# Altium PCB Board.PcbDoc (part 1 of 4) (continued)
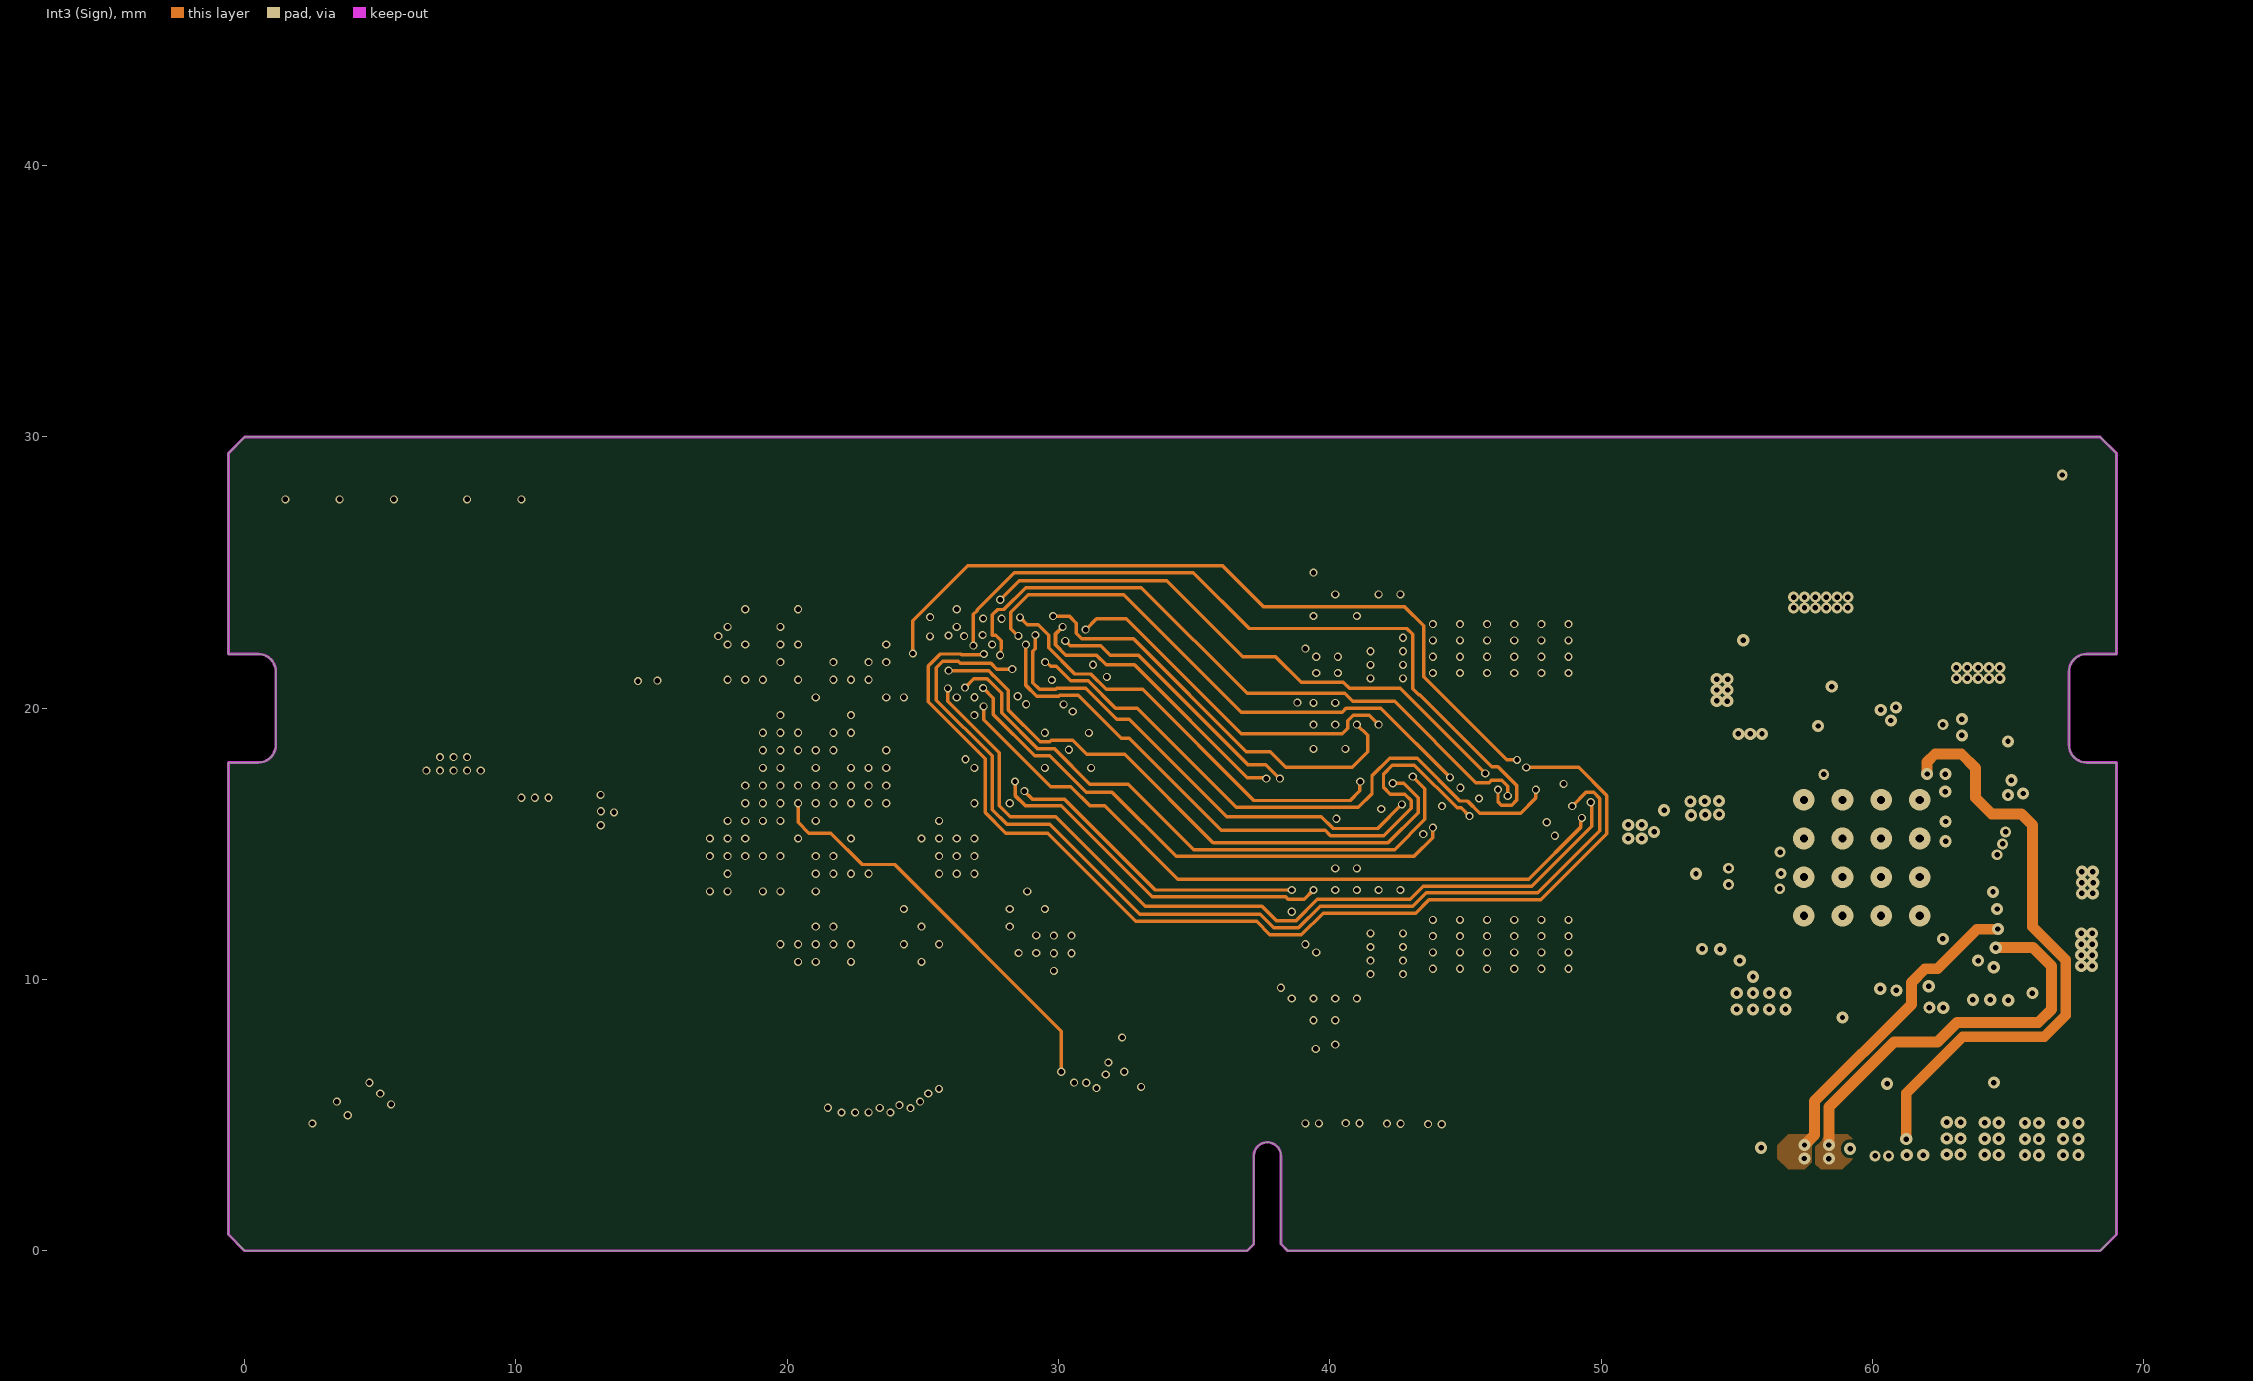
[diagram p4: Int3 (Sign)]
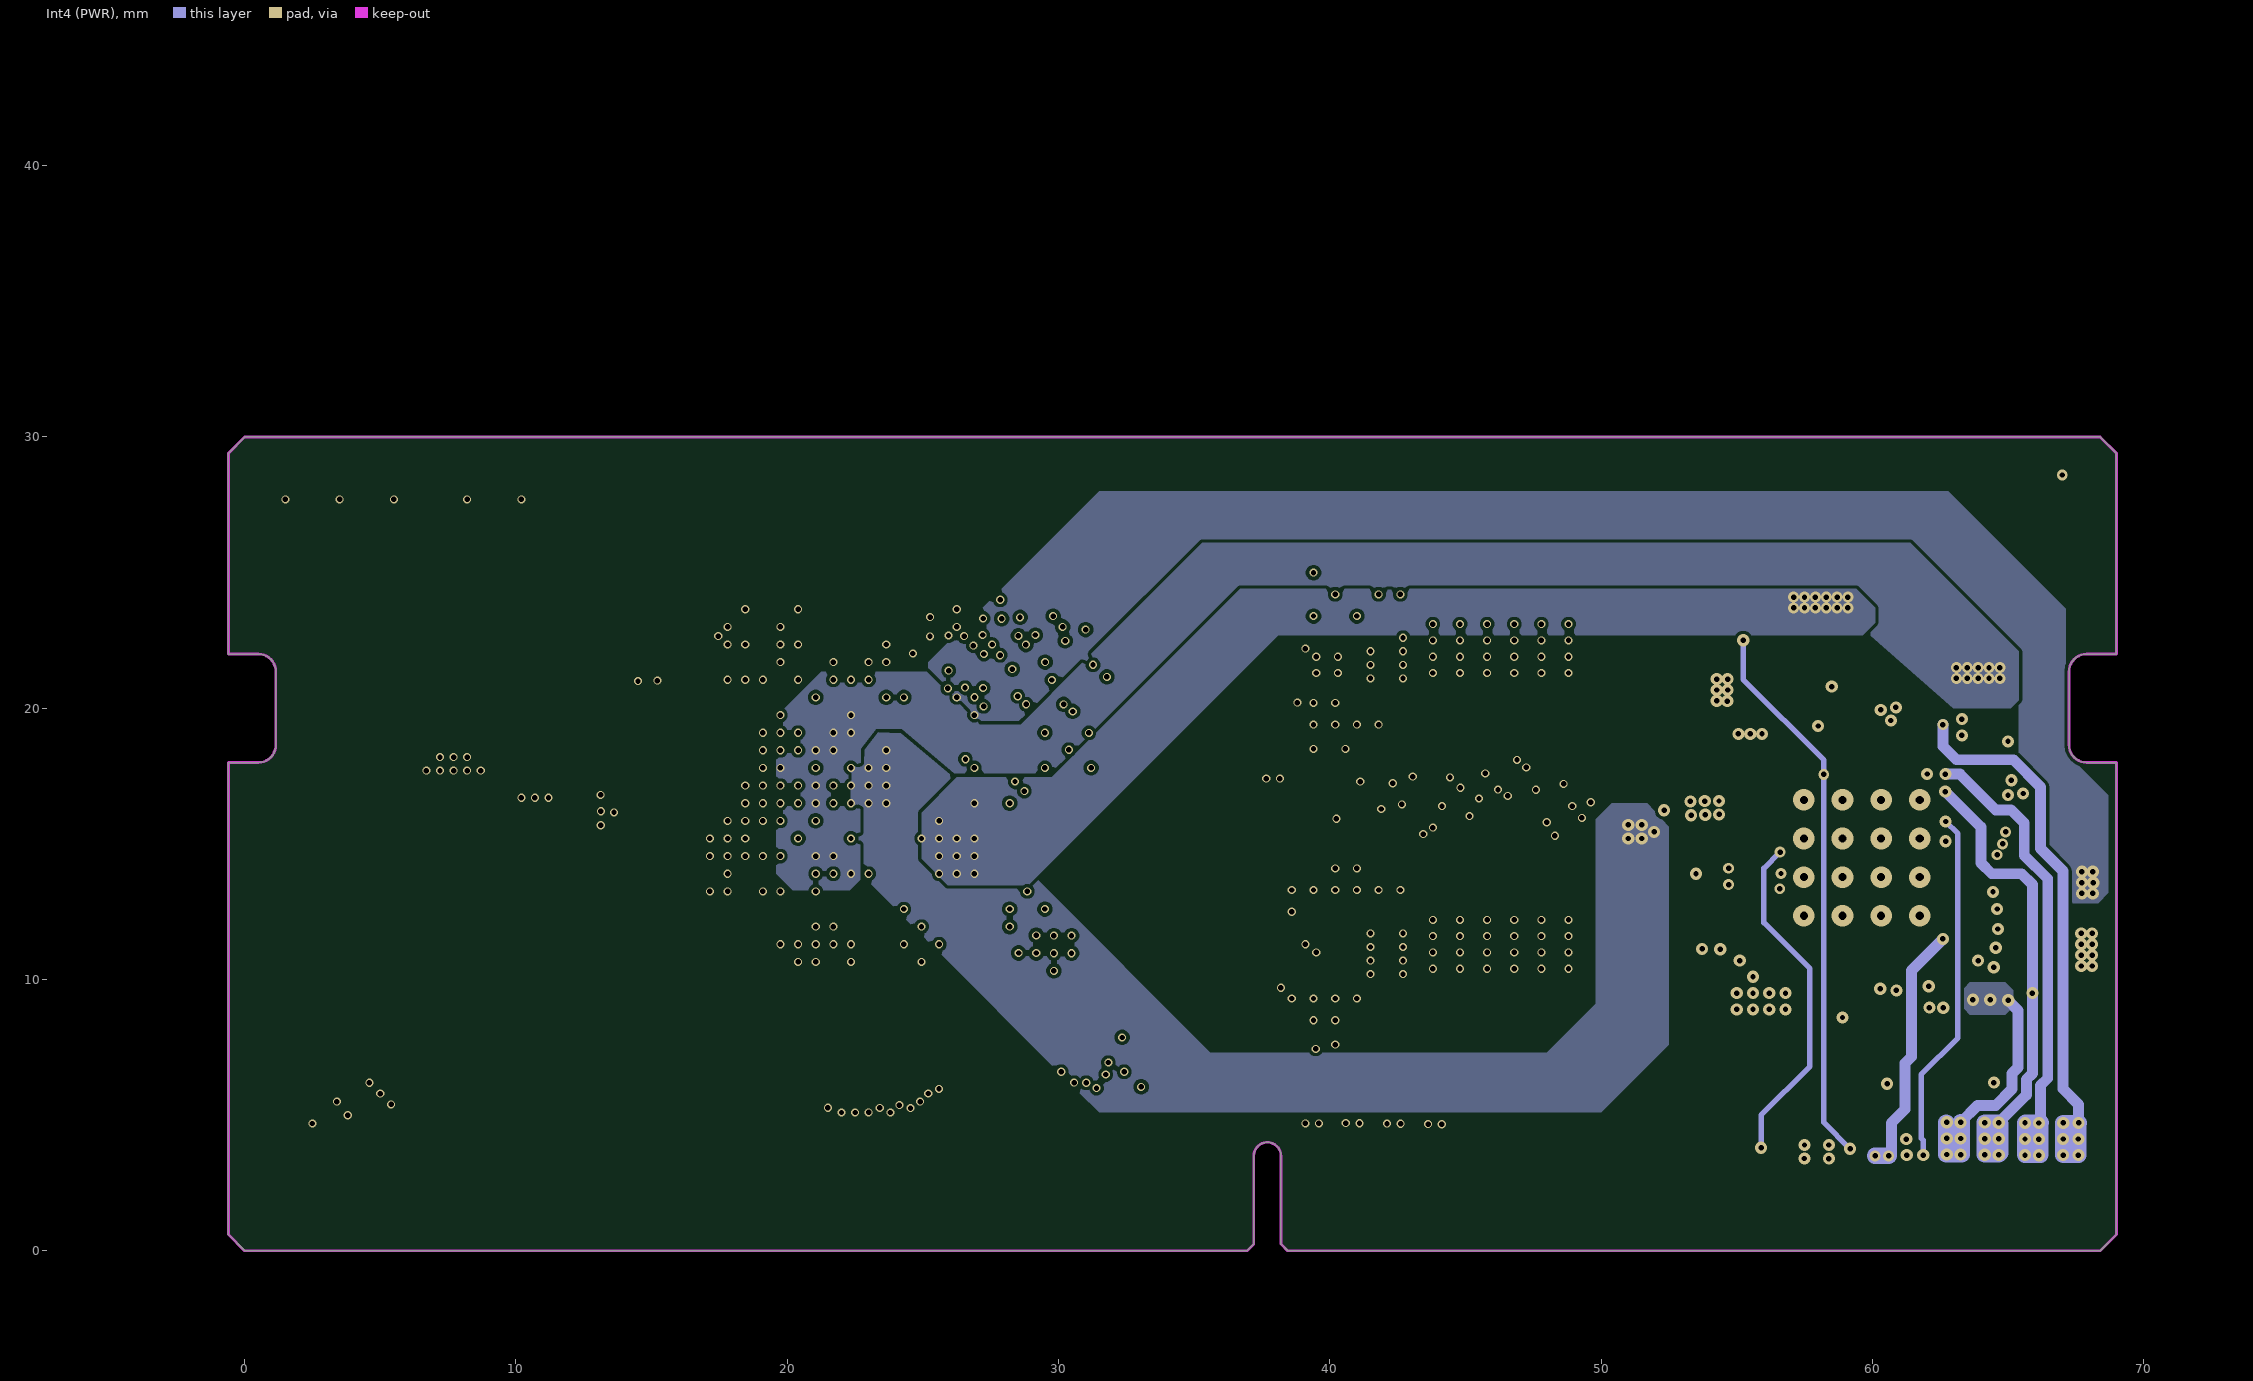
[diagram p5: Int4 (PWR)]

## Layer stack, top to bottom
Top Solder: solder mask 0.0254, SM-001, Dk 4
Top Layer: signal copper 0.035
Dielectric 1: prepreg 0.0994, PP-006, Dk 4.1
Int1 (GND): signal copper 0.0152
Dielectric 3: core 0.55, Core-035, Dk 4.7
Int2 (Sign): signal copper 0.0152
Dielectric 4: prepreg 0.0544, PP-006, Dk 4.1
Dielectric 5: prepreg 0.0544, PP-006, Dk 4.1
Int3 (Sign): signal copper 0.0152
Dielectric 6: core 0.55, Core-035, Dk 4.7
Int4 (PWR): signal copper 0.0152
Dielectric 8: prepreg 0.0994, PP-006, Dk 4.1
Bottom Layer: signal copper 0.035
Bottom Solder: solder mask 0.0254, SM-001, Dk 4

## Board outline
0,0 -0.6,0.6 -0.6,18 0.5,18 ccw(c0.5,18.65) 1.15,18.65 1.15,21.35 ccw(c0.5,21.35) 0.5,22 -0.6,22 -0.6,29.4 0,30 68.4,30 69,29.4 69,22 67.9,22 ccw(c67.9,21.35) 67.25,21.35 67.25,18.65 ccw(c67.9,18.65) 67.9,18 69,18 69,0.6 68.4,0 38.45,0 38.2,0.25 38.2,3.5 ccw(c37.7,3.5) 37.2,3.5 37.2,0.25 36.95,0

## Design rules (kind name [scope] priority, off if disabled: settings)
Clearance [All] p1: gap=0.127 ignorepadtopadclearanceinfootprint=TRUE
DiffPairsRouting "Schematic Differential Pairs Routing_11" [InDifferentialPairClass('HDMI_TX0')] p1: maxlimit=0.229 minlimit=0.229 mostfreqgap=0.229 toplayer_minwidth=0.128 toplayer_maxwidth=0.13 toplayer_prefwidth=0.129 midlayer1_minwidth=0.128 midlayer1_maxwidth=0.13 midlayer1_prefwidth=0.129 midlayer2_minwidth=0.128 midlayer2_maxwidth=0.13 midlayer2_prefwidth=0.129 midlayer3_minwidth=0.128 midlayer3_maxwidth=0.13 midlayer3_prefwidth=0.129 midlayer4_minwidth=0.128 midlayer4_maxwidth=0.13 midlayer4_prefwidth=0.129 bottomlayer_minwidth=0.128 bottomlayer_maxwidth=0.13 bottomlayer_prefwidth=0.129 maxuncoupledlength=12.7
DiffPairsRouting "Schematic Differential Pairs Routing_10" [InDifferentialPairClass('HDMI_TX2')] p2: maxlimit=0.229 minlimit=0.229 mostfreqgap=0.229 toplayer_minwidth=0.128 toplayer_maxwidth=0.13 toplayer_prefwidth=0.129 midlayer1_minwidth=0.128 midlayer1_maxwidth=0.13 midlayer1_prefwidth=0.129 midlayer2_minwidth=0.128 midlayer2_maxwidth=0.13 midlayer2_prefwidth=0.129 midlayer3_minwidth=0.128 midlayer3_maxwidth=0.13 midlayer3_prefwidth=0.129 midlayer4_minwidth=0.128 midlayer4_maxwidth=0.13 midlayer4_prefwidth=0.129 bottomlayer_minwidth=0.128 bottomlayer_maxwidth=0.13 bottomlayer_prefwidth=0.129 maxuncoupledlength=12.7
DiffPairsRouting "Schematic Differential Pairs Routing_9" [InDifferentialPairClass('HDMI_TX1')] p3: maxlimit=0.229 minlimit=0.229 mostfreqgap=0.229 toplayer_minwidth=0.128 toplayer_maxwidth=0.13 toplayer_prefwidth=0.129 midlayer1_minwidth=0.128 midlayer1_maxwidth=0.13 midlayer1_prefwidth=0.129 midlayer2_minwidth=0.128 midlayer2_maxwidth=0.13 midlayer2_prefwidth=0.129 midlayer3_minwidth=0.128 midlayer3_maxwidth=0.13 midlayer3_prefwidth=0.129 midlayer4_minwidth=0.128 midlayer4_maxwidth=0.13 midlayer4_prefwidth=0.129 bottomlayer_minwidth=0.128 bottomlayer_maxwidth=0.13 bottomlayer_prefwidth=0.129 maxuncoupledlength=12.7
DiffPairsRouting "Schematic Differential Pairs Routing_6" [InDifferentialPairClass('HDMI_TXC')] p4: maxlimit=0.229 minlimit=0.229 mostfreqgap=0.229 toplayer_minwidth=0.128 toplayer_maxwidth=0.13 toplayer_prefwidth=0.129 midlayer1_minwidth=0.128 midlayer1_maxwidth=0.13 midlayer1_prefwidth=0.129 midlayer2_minwidth=0.128 midlayer2_maxwidth=0.13 midlayer2_prefwidth=0.129 midlayer3_minwidth=0.128 midlayer3_maxwidth=0.13 midlayer3_prefwidth=0.129 midlayer4_minwidth=0.128 midlayer4_maxwidth=0.13 midlayer4_prefwidth=0.129 bottomlayer_minwidth=0.128 bottomlayer_maxwidth=0.13 bottomlayer_prefwidth=0.129 maxuncoupledlength=12.7
DiffPairsRouting "Schematic Differential Pairs Routing_20" [InDifferentialPairClass('USB2')] p5: maxlimit=0.229 minlimit=0.229 mostfreqgap=0.229 toplayer_minwidth=0.128 toplayer_maxwidth=0.13 toplayer_prefwidth=0.129 midlayer1_minwidth=0.128 midlayer1_maxwidth=0.13 midlayer1_prefwidth=0.129 midlayer2_minwidth=0.128 midlayer2_maxwidth=0.13 midlayer2_prefwidth=0.129 midlayer3_minwidth=0.128 midlayer3_maxwidth=0.13 midlayer3_prefwidth=0.129 midlayer4_minwidth=0.128 midlayer4_maxwidth=0.13 midlayer4_prefwidth=0.129 bottomlayer_minwidth=0.128 bottomlayer_maxwidth=0.13 bottomlayer_prefwidth=0.129 maxuncoupledlength=12.7
DiffPairsRouting "Schematic Differential Pairs Routing_18" [InDifferentialPairClass('USB1')] p6: maxlimit=0.229 minlimit=0.229 mostfreqgap=0.229 toplayer_minwidth=0.128 toplayer_maxwidth=0.13 toplayer_prefwidth=0.129 midlayer1_minwidth=0.128 midlayer1_maxwidth=0.13 midlayer1_prefwidth=0.129 midlayer2_minwidth=0.128 midlayer2_maxwidth=0.13 midlayer2_prefwidth=0.129 midlayer3_minwidth=0.128 midlayer3_maxwidth=0.13 midlayer3_prefwidth=0.129 midlayer4_minwidth=0.128 midlayer4_maxwidth=0.13 midlayer4_prefwidth=0.129 bottomlayer_minwidth=0.128 bottomlayer_maxwidth=0.13 bottomlayer_prefwidth=0.129 maxuncoupledlength=12.7
DiffPairsRouting "Schematic Differential Pairs Routing_8" [InDifferentialPairClass('USB0')] p7: maxlimit=0.229 minlimit=0.229 mostfreqgap=0.229 toplayer_minwidth=0.128 toplayer_maxwidth=0.13 toplayer_prefwidth=0.129 midlayer1_minwidth=0.128 midlayer1_maxwidth=0.13 midlayer1_prefwidth=0.129 midlayer2_minwidth=0.128 midlayer2_maxwidth=0.13 midlayer2_prefwidth=0.129 midlayer3_minwidth=0.128 midlayer3_maxwidth=0.13 midlayer3_prefwidth=0.129 midlayer4_minwidth=0.128 midlayer4_maxwidth=0.13 midlayer4_prefwidth=0.129 bottomlayer_minwidth=0.128 bottomlayer_maxwidth=0.13 bottomlayer_prefwidth=0.129 maxuncoupledlength=12.7
DiffPairsRouting "Schematic Differential Pairs Routing_5" [InDifferentialPairClass('USB3')] p8: maxlimit=0.229 minlimit=0.229 mostfreqgap=0.229 toplayer_minwidth=0.128 toplayer_maxwidth=0.13 toplayer_prefwidth=0.129 midlayer1_minwidth=0.128 midlayer1_maxwidth=0.13 midlayer1_prefwidth=0.129 midlayer2_minwidth=0.128 midlayer2_maxwidth=0.13 midlayer2_prefwidth=0.129 midlayer3_minwidth=0.128 midlayer3_maxwidth=0.13 midlayer3_prefwidth=0.129 midlayer4_minwidth=0.128 midlayer4_maxwidth=0.13 midlayer4_prefwidth=0.129 bottomlayer_minwidth=0.128 bottomlayer_maxwidth=0.13 bottomlayer_prefwidth=0.129 maxuncoupledlength=12.7
DiffPairsRouting "Schematic Differential Pairs Routing_4" [InNetClass('DDR3_DIFF_DQS2')] p9: maxlimit=0.229 minlimit=0.229 mostfreqgap=0.229 toplayer_minwidth=0.128 toplayer_maxwidth=0.13 toplayer_prefwidth=0.129 midlayer1_minwidth=0.128 midlayer1_maxwidth=0.13 midlayer1_prefwidth=0.129 midlayer2_minwidth=0.128 midlayer2_maxwidth=0.13 midlayer2_prefwidth=0.129 midlayer3_minwidth=0.128 midlayer3_maxwidth=0.13 midlayer3_prefwidth=0.129 midlayer4_minwidth=0.128 midlayer4_maxwidth=0.13 midlayer4_prefwidth=0.129 bottomlayer_minwidth=0.128 bottomlayer_maxwidth=0.13 bottomlayer_prefwidth=0.129 maxuncoupledlength=12.7
DiffPairsRouting "Schematic Differential Pairs Routing_3" [InNetClass('DDR3_DIFF_DQS3')] p10: maxlimit=0.229 minlimit=0.229 mostfreqgap=0.229 toplayer_minwidth=0.128 toplayer_maxwidth=0.13 toplayer_prefwidth=0.129 midlayer1_minwidth=0.128 midlayer1_maxwidth=0.13 midlayer1_prefwidth=0.129 midlayer2_minwidth=0.128 midlayer2_maxwidth=0.13 midlayer2_prefwidth=0.129 midlayer3_minwidth=0.128 midlayer3_maxwidth=0.13 midlayer3_prefwidth=0.129 midlayer4_minwidth=0.128 midlayer4_maxwidth=0.13 midlayer4_prefwidth=0.129 bottomlayer_minwidth=0.128 bottomlayer_maxwidth=0.13 bottomlayer_prefwidth=0.129 maxuncoupledlength=12.7
DiffPairsRouting "Schematic Differential Pairs Routing_2" [InNetClass('DDR3_DIFF_DQS0')] p11: maxlimit=0.229 minlimit=0.229 mostfreqgap=0.229 toplayer_minwidth=0.128 toplayer_maxwidth=0.13 toplayer_prefwidth=0.129 midlayer1_minwidth=0.128 midlayer1_maxwidth=0.13 midlayer1_prefwidth=0.129 midlayer2_minwidth=0.128 midlayer2_maxwidth=0.13 midlayer2_prefwidth=0.129 midlayer3_minwidth=0.128 midlayer3_maxwidth=0.13 midlayer3_prefwidth=0.129 midlayer4_minwidth=0.128 midlayer4_maxwidth=0.13 midlayer4_prefwidth=0.129 bottomlayer_minwidth=0.128 bottomlayer_maxwidth=0.13 bottomlayer_prefwidth=0.129 maxuncoupledlength=12.7
DiffPairsRouting "Schematic Differential Pairs Routing_1" [InNetClass('DDR3_DIFF_CK')] p12: maxlimit=0.229 minlimit=0.229 mostfreqgap=0.229 toplayer_minwidth=0.128 toplayer_maxwidth=0.13 toplayer_prefwidth=0.129 midlayer1_minwidth=0.128 midlayer1_maxwidth=0.13 midlayer1_prefwidth=0.129 midlayer2_minwidth=0.128 midlayer2_maxwidth=0.13 midlayer2_prefwidth=0.129 midlayer3_minwidth=0.128 midlayer3_maxwidth=0.13 midlayer3_prefwidth=0.129 midlayer4_minwidth=0.128 midlayer4_maxwidth=0.13 midlayer4_prefwidth=0.129 bottomlayer_minwidth=0.128 bottomlayer_maxwidth=0.13 bottomlayer_prefwidth=0.129 maxuncoupledlength=12.7
DiffPairsRouting "Schematic Differential Pairs Routing" [InNetClass('DDR3_DIFF_DQS1')] p13: maxlimit=0.229 minlimit=0.229 mostfreqgap=0.229 toplayer_minwidth=0.128 toplayer_maxwidth=0.13 toplayer_prefwidth=0.129 midlayer1_minwidth=0.128 midlayer1_maxwidth=0.13 midlayer1_prefwidth=0.129 midlayer2_minwidth=0.128 midlayer2_maxwidth=0.13 midlayer2_prefwidth=0.129 midlayer3_minwidth=0.128 midlayer3_maxwidth=0.13 midlayer3_prefwidth=0.129 midlayer4_minwidth=0.128 midlayer4_maxwidth=0.13 midlayer4_prefwidth=0.129 bottomlayer_minwidth=0.128 bottomlayer_maxwidth=0.13 bottomlayer_prefwidth=0.129 maxuncoupledlength=12.7
DiffPairsRouting [All] p14: maxlimit=0.127 minlimit=0.127 mostfreqgap=0.127 toplayer_minwidth=0.13 toplayer_maxwidth=0.13 toplayer_prefwidth=0.13 midlayer1_minwidth=0.13 midlayer1_maxwidth=0.13 midlayer1_prefwidth=0.13 midlayer2_minwidth=0.13 midlayer2_maxwidth=0.13 midlayer2_prefwidth=0.13 midlayer3_minwidth=0.13 midlayer3_maxwidth=0.13 midlayer3_prefwidth=0.13 midlayer4_minwidth=0.13 midlayer4_maxwidth=0.13 midlayer4_prefwidth=0.13 bottomlayer_minwidth=0.13 bottomlayer_maxwidth=0.13 bottomlayer_prefwidth=0.13 maxuncoupledlength=12.7
HoleSize [All] p1: absolutevalues=TRUE maxlimit=6.3 minlimit=0.2 maxpercent=80.000 minpercent=20.000
HoleToHoleClearance [All] p1: gap=0.1 allowstackedmicrovias=TRUE
MinimumSolderMaskSliver [All] p1: minsoldermaskwidth=0.1
PolygonConnect [All] p1: connectstyle=Direct reliefconductorwidth=0.254 reliefentries=4 polygonreliefangle="90 Angle" airgapwidth=0.254
RoutingVias [All] p1: holewidth=0.2 width=0.3 viastyle="Through Hole" minholewidth=0.2 minwidth=0.3 maxholewidth=2 maxwidth=2
SilkToSilkClearance [All] p1: silktosilkclearance=0.1
SilkToSolderMaskClearance [IsPad] p1: minsilkscreentomaskgap=0.1 clearancetoexposedcopper=TRUE
SolderMaskExpansion [All] p1: expansion=0.102 istentingtop=FALSE
Width "Schematic Width Constraint_6" [InNet('RGMII_RXCK')] p1: maxlimit=0.127 minlimit=0.127 preferedwidth=0.127
Width "Schematic Width Constraint_5" [InNet('SBA0')] p2: maxlimit=0.127 minlimit=0.127 preferedwidth=0.127
Width "Schematic Width Constraint_4" [InNetClass('DDR3_DQM')] p3: maxlimit=0.127 minlimit=0.127 preferedwidth=0.127
Width "Schematic Width Constraint_2" [InNetClass('EMMC_DATA')] p4: maxlimit=0.127 minlimit=0.127 preferedwidth=0.127
Width "Schematic Width Constraint_3" [InNetClass('EMMC_CTL')] p5: maxlimit=0.127 minlimit=0.127 preferedwidth=0.127
Width "Schematic Width Constraint" [InNetClass('FLASH')] p6: maxlimit=0.127 minlimit=0.127 preferedwidth=0.127
Width "Schematic Width Constraint_7" [InNetClass('DDR3_ADDR')] p7: maxlimit=0.127 minlimit=0.127 preferedwidth=0.127
Width "Schematic Width Constraint_1" [InNetClass('DDR3_DATA')] p8: maxlimit=0.127 minlimit=0.127 preferedwidth=0.127
Width [All] p9: maxlimit=5 minlimit=0.127 preferedwidth=0.254
24 further rules are at their usual default settings.
